# Altium PCB AX7103-2021-0629.PcbDoc (part 4 of 7)
Units mil, origin at the board's own origin, x right, y up, seen from the top; angles counter-clockwise.
Board outline 7406.51 x 4363.82 mil, 6 copper layers (TOP, SGND, IN1, IN2, SGND1, BOTTOM), stack 47.2 mil thick; 347 components, 454 nets, 1784 pads, 724 vias.
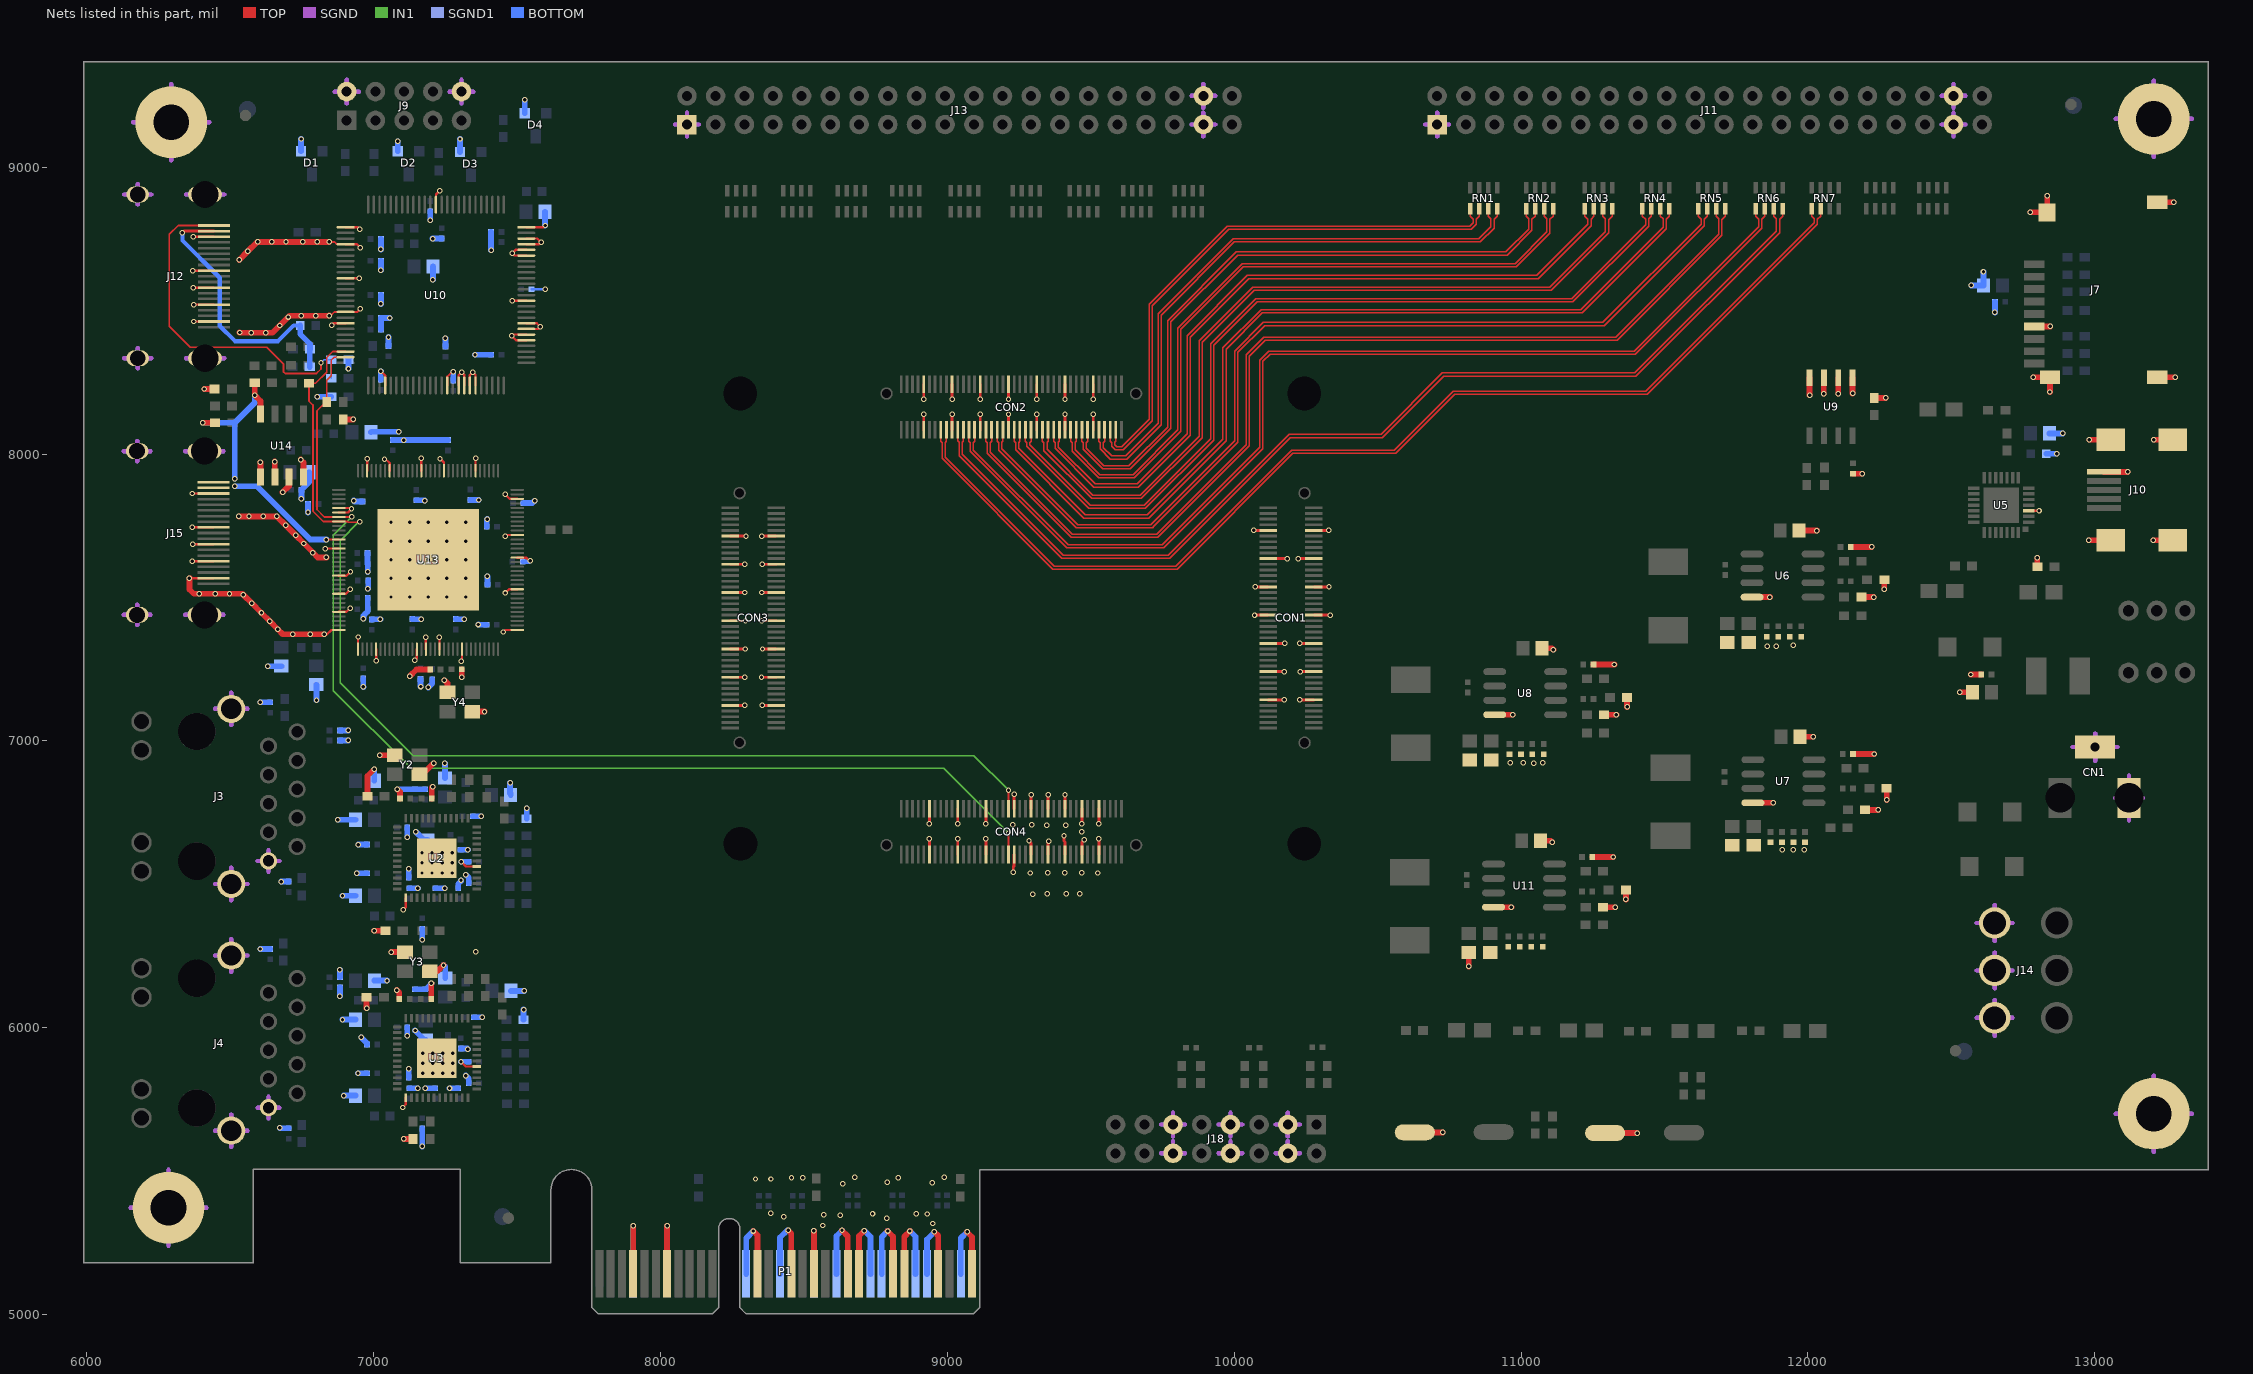
[diagram p8: the nets of this part, all layers, seen from the top]

## Via types
v1: diameter 19, hole 12, TOP to BOTTOM, 688 vias
v2: diameter 16, hole 8, TOP to BOTTOM, 36 vias

## Nets (pads, with @x,y where several pads share a name; then routed paths per layer and width w, separated by ;. In a path a pad name is that pad's centre, name@x,y a point inside that pad or via, vN(x,y) a via of type N, cw(c..) or ccw(c..) an arc to the next point about the centre after c; other vN are vias at no path point) (continued)
GND: C61.2 C62.2 C63.2 C64.2 C65.2 C66.2 C67.2 C68.2 C69.2 C70.2 C71.1 C72.2 C73.2 C74.2 C75.2 C76.2 C77.2 C78.2 C79.2 C80.2 C129.2 C130.2 C133.2 C134.2 C136.2 C137.2 C138.2 C139.2 C140.2 C141.2 C142.2 C143.2 C146.2 C147.2 C148.2 C149.2 C150.2 C151.2 C152.2 C153.2 C157.2 C158.2 C159.2 C160.2 C161.2 C162.2 C163.2 C164.2 C165.2 C166.2 C167.2 C168.2 C169.2 C170.2 C171.2 C172.2 C173.2 C174.2 C175.2 C176.2 C177.2 C178.2 C179.2 C180.2 C181.2 C182.2 C183.2 C184.2 C185.2 C186.2 C187.2 C188.2 C189.2 C190.2 C191.2 C192.2 C193.2 C194.2 C195.2 C196.2 C197.2 C198.2 C199.2 C200.2 C201.2 C202.2 C203.2 C204.2 C205.2 C206.2 C207.2 C208.2 C209.2 C210.2 C211.2 C213.2 C214.2 C215.2 C216.2 C217.2 C218.2 C219.2 C220.2 C223.2 C224.2 C225.2 C226.2 C227.2 C228.2 C229.2 C231.2 C233.2 C234.2 C235.2 C236.2 C237.2 C238.2 C239.2 C240.2 C242.2 C244.2 C245.2 C246.2 C247.2 C248.2 C249.2 C250.2 C251.2 C252.2 C253.2 C259.2 C260.2 C261.2 C262.2 C263.2 C264.2 C265.2 C266.2 C267.2 CN1.1 CN1.2 CON1.9 CON1.10 CON1.19 CON1.20 CON1.29 CON1.30 CON1.39 CON1.40 CON1.49 CON1.50 CON1.59 CON1.60 CON1.69 CON1.70 CON2.9 CON2.10 CON2.19 CON2.20 CON2.29 CON2.30 CON2.39 CON2.40 CON2.49 CON2.50 CON2.59 CON2.60 CON2.69 CON2.70 CON3.9 CON3.10 CON3.19 CON3.20 CON3.29 CON3.30 CON3.39 CON3.40 CON3.49 CON3.50 CON3.59 CON3.60 CON3.69 CON3.70 CON4.9 CON4.10 CON4.15 CON4.16 CON4.21 CON4.22 CON4.27 CON4.28 CON4.33 CON4.34 CON4.39 CON4.40 CON4.49 CON4.50 CON4.59 CON4.60 CON4.69 CON4.70 D1.1 D2.1 D3.1 D4.1 J3.15 J3.16 J3.P10 J4.15 J4.16 J4.P10 J7.6 J7.10 J7.11 J7.12 J7.13 J9.2 J9.10 J10.5 J10.6 J10.7 J10.8 J10.9 J11.1 J11.37 J11.38 J12.2 J12.5 J12.8 J12.11 J12.17 J12.20 J12.21 J12.22 J12.23 J13.1 J13.37 J13.38 J14.4 J14.5 J14.6 J15.2 J15.5 J15.8 J15.11 J15.17 J15.20 J15.21 J15.22 J15.23 J18.3 J18.4 J18.7 J18.8 J18.11 J18.12 KEY1.2 KEY2.2 P1.A4 P1.A12 P1.A15 P1.A18 P1.A20 P1.A23 P1.A24 P1.A27 P1.A28 P1.A31 P1.B4 P1.B7 P1.B13 P1.B16 P1.B18 P1.B21 P1.B22 P1.B25 P1.B26 P1.B29 P1.B32 R51.2 R55.2 R57.2 R59.2 R70.1 R78.1 R79.1 R83.1 R92.1 R93.1 R136.1 R140.2 R141.2 R144.2 R145.2 R147.1 R156.2 R161.2 R162.2 R165.2 S1.1 S2.1 S3.1 S4.1 U2.13 U2.29 U2.49 U3.13 U3.29 U3.49 U5.3 U6.4 U7.4 U8.4 U9.1 U9.2 U9.3 U9.4 U10.13 U10.26 U10.29 U10.35 U10.41 U10.43 U10.54 U10.65 U10.67 U10.68 U10.69 U10.70 U10.80 U10.81 U10.82 U10.83 U10.87 U10.95 U10.96 U10.97 U10.98 U10.100 U11.4 U13.6 U13.13 U13.18 U13.25 U13.30 U13.37 U13.38 U13.46 U13.52 U13.56 U13.60 U13.64 U13.65 U13.69 U13.78 U13.80 U13.83 U13.88 U13.97 U13.106 U13.113 U13.118 U13.126 U13.129 U14.1 U14.2 U14.3 U14.4 Y2.2 Y2.4 Y3.2 Y3.4 Y4.2 Y4.4 | length 35626
  TOP w6: v1(6845.04,8739.62) 6864.04,8739.62 6872.04,8731.62 U10.29@6902.84,8731.62 ; v1(6846.04,8482.85) 6851.04,8482.85 6863.59,8495.4 U10.41@6902.84,8495.4
  TOP w8: v1@6361.04,7567.49 J15.2@6442.26,7567.49 ; v1(6367.85,7862.77) J15.17@6442.26,7862.77 ; v1(6367.97,7626.55) J15.5@6442.26,7626.55 ; v1(6368.24,7744.66) J15.11@6442.26,7744.66 ; v1(6369.42,7685.6) J15.8@6442.26,7685.6 ; v1(6370.3,8639.4) J12.11@6444.23,8639.4 ; v1(6372.18,8580.34) J12.8@6444.23,8580.34 ; v1(6372.35,8757.51) J12.17@6444.23,8757.51 ; v1(6373.97,8521.29) J12.5@6444.23,8521.29 ; v1(6374.03,8462.23) J12.2@6444.23,8462.23 ; v1(6828.04,7371.85) 6829.04,7370.85 6837.04,7370.85 6853.42,7387.23 U13.64@6879.36,7387.23 ; v1(6832.04,7670.69) U13.46@6879.36,7670.69 ; v1(6855.04,8449.85) 6861.22,8456.03 U10.43@6902.84,8456.03 ; U13.60@6879.36,7450.22 6905.56,7450.22 6918.3,7462.96 v1(6918.8,7462.96) ; U13.56@6879.36,7513.21 6904.26,7513.21 6913.98,7522.93 6913.98,7524.64 v1(6918.8,7529.46) ; U13.52@6879.36,7576.2 6906.04,7576.2 v1(6919.8,7589.96) ; U13.38@6879.36,7796.67 6911.01,7796.67 v1(6923.3,7808.96) 6919.84,7812.42 U13.37@6879.36,7812.42 ; U10.41@6902.84,8495.4 6943.24,8495.4 v1(6954.3,8506.46) ; U10.35@6902.84,8613.51 v1(6950.85,8613.51) ; U10.29@6902.84,8731.62 6942.14,8731.62 6953.8,8719.96 v1(6954.3,8719.96) ; U10.26@6902.84,8790.68 6945.08,8790.68 v1(6952.3,8783.46) ; U13.65@6946.29,7320.3 v1(6946.29,7362.45) ; U13.30@6977.78,7942.34 v1(6977.78,7983.98) ; v1(7009.28,7279.44) U13.69@7009.28,7320.3 ; v1(7026.04,8288.85) 7040.64,8274.25 U10.54@7040.64,8239.5 ; v1(7038.3,7982.46) 7042.8,7982.46 7056.52,7968.74 U13.25@7056.52,7942.34 ; v1(7101.54,5722.35) 7112.7,5733.51 U3.13@7112.7,5755.97 ; v1(7104.04,6411.85) 7112.7,6420.51 U2.13@7112.7,6452.97 ; v1(7143.8,7281.46) 7151.01,7288.67 U13.78@7151.01,7320.3 ; U13.18@7166.76,7942.34 v1(7166.76,7985.42) ; U13.80@7182.51,7320.3 v1(7182.51,7361.17) ; U10.13@7217.8,8869.42 7217.8,8904.96 v1(7231.3,8918.46) ; U13.83@7229.75,7320.3 v1(7229.75,7361.41) ; v1(7231.8,7984.46) 7245.5,7970.76 U13.13@7245.5,7942.34 ; U10.65@7257.17,8239.5 7257.17,8269.83 7274.3,8286.96 v1(7277.8,8286.96) ; U10.67@7296.54,8239.5 7296.54,8274.7 v1(7307.3,8285.46) 7316.23,8276.53 U10.68@7316.23,8239.5 ; v1(7305.04,5881.85) 7321.59,5865.3 U3.29@7359.83,5865.3 ; v1(7305.63,7278.63) 7305.63,7283.29 7308.49,7286.15 U13.88@7308.49,7320.3 ; v1(7306.04,6578.85) 7322.59,6562.3 U2.29@7359.83,6562.3 ; U10.69@7335.91,8239.5 7335.91,8275.57 v1(7346.3,8285.96) 7355.6,8276.66 U10.70@7355.6,8239.5 ; U13.6@7355.73,7942.34 v1(7355.73,7984.89) ; v1(7452.62,7379.92) 7459.93,7387.23 U13.97@7501.4,7387.23 ; v1(7459.3,7515.96) 7472.3,7528.96 U13.106@7501.4,7528.96 ; v1(7459.3,7859.46) 7474.84,7843.92 U13.126@7501.4,7843.92 ; v1(7459.8,7713.96) 7463.77,7717.93 U13.118@7501.4,7717.93 ; v1(7482.99,8534.77) U10.87@7532.76,8534.77 ; U13.113@7501.4,7639.19 7531.57,7639.19 7542.8,7627.96 v1(7546.3,7627.96) ; U10.80@7532.76,8396.98 7496.78,8396.98 v1(7481.3,8412.46) 7485.5,8416.66 U10.81@7532.76,8416.66 ; U10.82@7532.76,8436.35 7574.19,8436.35 v1(7581.3,8443.46) 7568.73,8456.03 U10.83@7532.76,8456.03 ; U10.95@7532.76,8692.25 7490.51,8692.25 v1(7483.3,8699.46) 7483.3,8700.46 7494.78,8711.94 U10.96@7532.76,8711.94 ; U10.97@7532.76,8731.62 7576.96,8731.62 7583.3,8737.96 v1(7584.3,8737.96) 7570.95,8751.31 U10.98@7532.76,8751.31 ; U10.100@7532.76,8790.68 7591.87,8790.68 v1(7598.04,8796.85)
  TOP w10: CON3.10@8243.68,7123.87 v1(8294.02,7123.87) ; CON3.20@8243.68,7222.3 v1(8294.49,7222.3) ; CON3.30@8243.68,7320.72 v1(8296.17,7320.72) ; CON3.40@8243.68,7419.15 v1(8296.74,7419.15) ; CON3.50@8243.68,7517.57 v1(8294.32,7517.57) ; CON3.60@8243.68,7616 v1(8293.89,7616) ; CON3.70@8243.68,7714.42 v1(8298.47,7714.42) ; v1(8352.49,7222.3) CON3.19@8403.12,7222.3 ; v1(8353.47,7714.42) CON3.69@8403.12,7714.42 ; v1(8353.74,7419.15) CON3.39@8403.12,7419.15 ; v1(8353.76,7517.57) CON3.49@8403.12,7517.57 ; v1(8354.89,7616) CON3.59@8403.12,7616 ; v1(8355.06,7123.87) CON3.9@8403.12,7123.87 ; v1(8356.04,7320.72) CON3.29@8403.12,7320.72 ; CON2.9@8918.28,8084.27 v1(8918.28,8138.61) ; v1(8918.28,8191.09) CON2.10@8918.28,8243.71 ; CON4.70@8937.98,6604.33 v1(8937.98,6658.67) ; v1(8937.98,6711.15) CON4.69@8937.98,6763.77 ; CON2.19@9016.71,8084.27 v1(9016.71,8138.61) ; v1(9016.71,8191.09) CON2.20@9016.71,8243.71 ; CON4.60@9036.4,6604.33 v1(9036.4,6658.67) ; v1(9036.4,6711.15) CON4.59@9036.4,6763.77 ; CON2.29@9115.13,8084.27 v1(9115.13,8138.61) ; v1(9115.13,8191.09) CON2.30@9115.13,8243.71 ; CON4.50@9134.83,6604.33 v1(9134.83,6658.67) ; v1(9134.83,6711.15) CON4.49@9134.83,6763.77 ; CON2.39@9213.56,8084.27 v1(9213.56,8138.61) ; v1(9213.56,8191.09) CON2.40@9213.56,8243.71 ; v1(9230.04,6541.85) 9230.04,6561.85 9233.25,6565.06 CON4.40@9233.25,6604.33 ; CON4.39@9233.25,6763.77 v1(9233.25,6813.85) ; v1(9285.04,6651.85) 9292.31,6644.58 CON4.34@9292.31,6604.33 ; CON4.33@9292.31,6763.77 v1(9292.31,6812.85) ; CON2.49@9311.98,8084.27 v1(9311.98,8138.61) ; v1(9311.98,8191.09) CON2.50@9311.98,8243.71 ; CON4.28@9351.36,6604.33 9351.36,6646.17 9354.04,6648.85 v1(9354.04,6650.85) ; CON4.27@9351.36,6763.77 v1(9351.36,6811.85) ; v1(9407.04,6669.85) 9407.04,6650.85 9410.42,6647.47 CON4.22@9410.42,6604.33 ; CON4.21@9410.42,6763.77 v1(9410.42,6812.85) ; CON2.59@9410.41,8084.27 v1(9410.41,8138.61) ; v1(9410.41,8191.09) CON2.60@9410.41,8243.71 ; CON4.16@9469.47,6604.33 9469.47,6648.28 v1(9477.04,6655.85) ; v1(9469.47,6711.15) CON4.15@9469.47,6763.77 ; CON2.69@9508.83,8084.27 v1(9508.83,8138.61) ; v1(9508.83,8191.09) CON2.70@9508.83,8243.71 ; CON4.10@9528.53,6604.33 v1(9528.53,6658.67) ; v1(9528.53,6711.15) CON4.9@9528.53,6763.77 ; v1(10069.04,7734.07) CON1.9@10118.59,7734.07 ; v1(10071.1,7438.79) CON1.39@10118.59,7438.79 ; v1(10073.41,7537.22) CON1.29@10118.59,7537.22 ; CON1.69@10118.59,7143.52 v1(10174.71,7143.52) ; CON1.59@10118.59,7241.94 v1(10175.13,7241.94) ; CON1.49@10118.59,7340.37 v1(10176.52,7340.37) ; CON1.19@10118.59,7635.64 v1(10185.25,7635.64) ; v1(10223.83,7635.64) CON1.20@10278.03,7635.64 ; v1(10228.04,7340.37) CON1.50@10278.03,7340.37 ; v1(10229.37,7143.52) CON1.70@10278.03,7143.52 ; v1(10230.95,7241.94) CON1.60@10278.03,7241.94 ; CON1.40@10278.03,7438.79 v1(10335.04,7438.79) ; CON1.30@10278.03,7537.22 v1(10330.67,7537.22) ; CON1.10@10278.03,7734.07 v1(10329.82,7734.07) ; U5.3@12769.92,7802.49 v1(12805.68,7802.49)
  TOP w20: v1(6358.04,7567.49) 6361.04,7567.49 6359.04,7565.49 6359.04,7527.85 6374.04,7512.85 v1(6393.04,7512.85) v1(6448.04,7512.85) v1(6498.04,7512.85) 6543.04,7512.85 v1(6546.03,7509.86) v1(6576.03,7479.86) v1(6609.53,7446.36) v1(6638.03,7417.86) v1(6667.03,7388.86) 6684.04,7371.85 v1(6718.04,7371.85) v1(6780.04,7371.85) v1(6828.04,7371.85) ; v1(6409.9,8226.99) R147.1@6446.04,8226.99 ; v1(6531.04,7782.85) v1(6566.04,7782.85) v1(6616.04,7782.85) v1(6663.04,7782.85) v1(6694.03,7751.86) v1(6729.03,7716.86) v1(6757.53,7688.36) v1(6789.03,7656.86) 6806.04,7639.85 v1(6836.04,7639.85) ; v1(6532.04,8676.85) v1(6562.04,8706.85) 6594.81,8739.62 v1(6596.04,8739.62) v1(6645.04,8739.62) v1(6695.04,8739.62) v1(6753.04,8739.62) v1(6804.04,8739.62) v1(6845.04,8739.62) ; v1(6533.04,8423.85) 6534.04,8422.85 v1(6574.04,8422.85) v1(6625.04,8422.85) 6648.04,8422.85 v1(6673.53,8448.34) v1(6703.03,8477.84) 6707.04,8481.85 v1(6748.04,8481.85) v1(6799.04,8481.85) 6844.04,8481.85 6845.04,8482.85 v1(6846.04,8482.85) ; U14.1@6606.04,7919.85 v1(6606.04,7971.85) ; U14.2@6656.04,7919.85 v1(6656.04,7973.85) ; v1(6683.04,7866.85) 6706.04,7889.85 U14.3@6706.04,7919.85 ; v1(6746.04,7980.85) 6756.04,7970.85 U14.4@6756.04,7919.85 ; R57.2@6894.18,8120.85 v1(6929.04,8120.85) ; v1(6976.04,6068.85) R83.1@6976.04,6106.99 ; R70.1@6979.04,6806.99 6979.04,6877.85 v1(7003.04,6901.85) ; v1(7002.18,6338.99) R79.1@7042.04,6338.99 ; v1(7022.58,6950.31) Y2.4@7073.73,6950.31 ; v1(7062.04,6264.31) Y3.4@7109.73,6264.31 ; v1(7081.04,6131.85) 7090.04,6122.85 C220.2@7090.04,6100.85 ; v1(7083.04,6831.85) 7092.04,6822.85 C187.2@7092.04,6799.85 ; v1(7105.04,5612.85) R93.1@7137.9,5612.85 ; v1(7126.3,7225.96) 7149.69,7249.35 C181.2@7197.54,7249.35 ; Y2.2@7160.35,6883.39 7170.58,6883.39 v1(7210.04,6922.85) ; Y3.2@7196.35,6197.39 7222.58,6197.39 v1(7244.04,6218.85) ; C219.2@7201.04,6100.85 7201.04,6154.85 v1(7202.04,6155.85) ; C186.2@7203.04,6799.85 7203.04,6836.85 v1(7206.04,6839.85) ; v1(7247.04,7211.85) 7257.73,7201.16 Y4.4@7257.73,7169.31 ; v1(7307.8,7221.96) 7307.8,7249.61 C180.2@7308.04,7249.85 ; Y4.2@7344.35,7102.39 v1(7387.04,7102.39) ; P1.B4@7905.39,5142.35 v1(7905.39,5309.85) ; P1.B7@8023.5,5142.35 v1(8023.5,5310.39) ; v1(8324.04,5291.85) 8338.46,5277.43 P1.B13@8338.46,5142.35 ; v1(8446.04,5293.85) 8456.57,5283.32 P1.B16@8456.57,5142.35 ; P1.B18@8535.31,5142.35 v1(8535.31,5292.85) ; v1(8633.04,5293.85) 8653.42,5273.47 P1.B21@8653.42,5142.35 ; P1.B22@8692.79,5142.35 8692.79,5274.6 v1(8711.04,5292.85) ; v1(8792.04,5291.85) 8810.9,5272.99 P1.B25@8810.9,5142.35 ; P1.B26@8850.27,5142.35 8850.27,5272.08 v1(8870.04,5291.85) ; v1(8955.04,5288.85) 8968.38,5275.51 P1.B29@8968.38,5142.35 ; v1(9069.04,5288.85) 9086.49,5271.4 P1.B32@9086.49,5142.35 ; KEY1.2@10629.79,5635.67 v1(10726.86,5635.67) ; v1(10817.6,6214.29) C233.2@10817.6,6262.62 ; U11.4@10904.3,6420.62 v1(10966.6,6420.62) ; U8.4@10908.3,7091.62 v1(10970.6,7091.62) ; C235.2@11068.6,6652.62 11103.27,6652.62 v1(11109.04,6646.85) ; C225.2@11072.6,7323.62 11107.27,7323.62 v1(11113.04,7317.85) ; C240.2@11248.6,6595.62 v1(11321.6,6595.62) ; C231.2@11252.6,7266.62 v1(11325.6,7266.62) ; R165.2@11285.6,6420.76 v1(11328.46,6420.76) ; R161.2@11289.6,7091.76 v1(11332.46,7091.76) ; KEY2.2@11293.27,5633.35 v1(11404.54,5633.35) ; v1(11365.6,6447.62) R162.2@11365.6,6480.76 ; v1(11369.6,7118.62) R156.2@11369.6,7151.76 ; U6.4@11805.3,7501.62 v1(11867.6,7501.62) ; U7.4@11808.3,6784.62 v1(11878.6,6784.62) ; C136.2@11969.6,7733.62 v1(12031.6,7733.62) ; C146.2@11972.6,7014.62 v1(12019.04,7014.62) ; v1(12005.71,8205.18) U9.4@12005.71,8266.63 ; v1(12055.71,8210.52) U9.3@12055.71,8266.63 ; v1(12105.71,8210.18) U9.2@12105.71,8266.63 ; C137.2@12149.6,7676.62 v1(12222.6,7676.62) ; v1(12155.71,8211.52) U9.1@12155.71,8266.63 ; C78.2@12157.04,7931.85 v1(12189.04,7931.85) ; C153.2@12157.6,6954.62 v1(12231.6,6954.62) ; R140.2@12186.6,7501.76 v1(12229.46,7501.76) ; R144.2@12199.6,6759.76 v1(12245.46,6759.76) ; R51.2@12230.9,8195.85 v1(12271.04,8195.85) ; v1(12266.6,7528.62) R141.2@12266.6,7561.76 ; v1(12274.6,6794.62) R145.2@12274.6,6834.76 ; v1(12530.04,7169.85) C133.2@12574.04,7169.85 ; v1(12568.04,7231.85) C134.2@12604.04,7231.85 ; v1(12775.14,8842.75) J7.10@12833.93,8842.75 v1(12833.93,8900.74) ; v1(12785.14,8267.95) J7.11@12843.77,8267.95 v1(12843.77,8216.58) ; J7.6@12788.65,8445.11 v1(12844.78,8445.11) ; R136.1@12799.88,7607 v1(12799.88,7639.01) ; v1(12979.11,7699.78) J10.8@13055.52,7699.78 ; v1(12980.37,8050.18) J10.6@13055.52,8050.18 ; J10.5@13031.9,7937.97 v1(13114.92,7937.97) ; v1(13203.97,7699.78) J10.9@13272.06,7699.78 ; v1(13205.37,8050.18) J10.7@13272.06,8050.18 ; J7.12@13217.78,8267.95 v1(13279.94,8267.95) ; J7.13@13217.78,8878.19 v1(13275.7,8878.19)
  SGND w15: 6129.22,7439.54 J15.22@6176.11,7439.54 ; 6129.22,8010.41 J15.23@6176.11,8010.41 ; 6131.19,8334.28 J12.22@6178.08,8334.28 ; 6131.19,8905.15 J12.23@6178.08,8905.15 ; 6152.8,5372.79 S4.1@6285.32,5372.79 ; 6162.52,9156.85 S3.1@6295.04,9156.85 ; 6176.11,7404.46 J15.22@6176.11,7439.54 ; 6176.11,7474.62 J15.22@6176.11,7439.54 ; 6176.11,7975.33 J15.23@6176.11,8010.41 ; 6176.11,8045.49 J15.23@6176.11,8010.41 ; 6178.08,8299.2 J12.22@6178.08,8334.28 ; 6178.08,8369.36 J12.22@6178.08,8334.28 ; 6178.08,8870.07 J12.23@6178.08,8905.15 ; 6178.08,8940.23 J12.23@6178.08,8905.15 ; 6223,7439.54 J15.22@6176.11,7439.54 ; 6223,8010.41 J15.23@6176.11,8010.41 ; 6224.97,8334.28 J12.22@6178.08,8334.28 ; 6224.97,8905.15 J12.23@6178.08,8905.15 ; 6285.32,5240.27 S4.1@6285.32,5372.79 ; 6285.32,5505.31 S4.1@6285.32,5372.79 ; 6295.04,9024.33 S3.1@6295.04,9156.85 ; 6295.04,9289.37 S3.1@6295.04,9156.85 ; 6344.18,7439.54 J15.20@6410.76,7439.54 ; 6344.18,8010.41 J15.21@6410.76,8010.41 ; 6346.15,8334.28 J12.20@6412.73,8334.28 ; 6346.15,8905.15 J12.21@6412.73,8905.15 ; 6410.76,7404.46 J15.20@6410.76,7439.54 ; 6410.76,7474.62 J15.20@6410.76,7439.54 ; 6410.76,7975.33 J15.21@6410.76,8010.41 ; 6410.76,8045.49 J15.21@6410.76,8010.41 ; 6412.73,8299.2 J12.20@6412.73,8334.28 ; 6412.73,8369.36 J12.20@6412.73,8334.28 ; 6412.73,8870.07 J12.21@6412.73,8905.15 ; 6412.73,8940.23 J12.21@6412.73,8905.15 ; 6417.84,5372.79 S4.1@6285.32,5372.79 ; 6427.56,9156.85 S3.1@6295.04,9156.85 ; 6447.59,5641.78 J4.16@6504.11,5641.78 ; 6447.59,6252.01 J4.15@6504.11,6252.01 ; 6447.59,6501.78 J3.16@6504.11,6501.78 ; 6447.59,7112.01 J3.15@6504.11,7112.01 ; 6477.34,7439.54 J15.20@6410.76,7439.54 ; 6477.34,8010.41 J15.21@6410.76,8010.41 ; 6479.31,8334.28 J12.20@6412.73,8334.28 ; 6479.31,8905.15 J12.21@6412.73,8905.15 ; 6504.11,5585.26 J4.16@6504.11,5641.78 ; 6504.11,5698.3 J4.16@6504.11,5641.78 ; 6504.11,6195.49 J4.15@6504.11,6252.01 ; 6504.11,6308.53 J4.15@6504.11,6252.01 ; 6504.11,6445.26 J3.16@6504.11,6501.78 ; 6504.11,6558.3 J3.16@6504.11,6501.78 ; 6504.11,7055.49 J3.15@6504.11,7112.01 ; 6504.11,7168.53 J3.15@6504.11,7112.01 ; 6560.63,5641.78 J4.16@6504.11,5641.78 ; 6560.63,6252.01 J4.15@6504.11,6252.01 ; 6560.63,6501.78 J3.16@6504.11,6501.78 ; 6560.63,7112.01 J3.15@6504.11,7112.01 ; 6596.51,5721.9 J4.P10@6634.03,5721.9 ; 6596.51,6581.9 J3.P10@6634.03,6581.9 ; 6634.03,5684.38 J4.P10@6634.03,5721.9 ; 6634.03,5759.42 J4.P10@6634.03,5721.9 ; 6634.03,6544.38 J3.P10@6634.03,6581.9 ; 6634.03,6619.42 J3.P10@6634.03,6581.9 ; 6671.55,5721.9 J4.P10@6634.03,5721.9 ; 6671.55,6581.9 J3.P10@6634.03,6581.9 ; 6865.1,9263.48 J9.2@6906.68,9263.48 ; 6906.68,9221.9 J9.2@6906.68,9263.48 ; 6906.68,9305.06 J9.2@6906.68,9263.48 ; 6948.26,9263.48 J9.2@6906.68,9263.48 ; 7265.1,9263.48 J9.10@7306.68,9263.48 ; 7306.68,9221.9 J9.10@7306.68,9263.48 ; 7306.68,9305.06 J9.10@7306.68,9263.48 ; 7348.26,9263.48 J9.10@7306.68,9263.48 ; 8051.18,9148.82 J13.1@8092.7,9148.82 ; 8092.7,9107.3 J13.1@8092.7,9148.82 ; 8092.7,9190.34 J13.1@8092.7,9148.82 ; 8134.22,9148.82 J13.1@8092.7,9148.82 ; 9745.52,5562.85 J18.12@9787.04,5562.85 ; 9745.52,5662.85 J18.11@9787.04,5662.85 ; 9787.04,5604.37 J18.12@9787.04,5562.85 ; 9787.04,5621.33 J18.11@9787.04,5662.85 ; 9787.04,5704.37 J18.11@9787.04,5662.85 ; 9828.56,5562.85 J18.12@9787.04,5562.85 ; 9828.56,5662.85 J18.11@9787.04,5662.85 ; 9851.18,9148.82 J13.37@9892.7,9148.82 ; 9851.18,9248.82 J13.38@9892.7,9248.82 ; 9892.7,9107.3 J13.37@9892.7,9148.82 ; 9892.7,9190.34 J13.37@9892.7,9148.82 ; 9892.7,9207.3 J13.38@9892.7,9248.82 ; 9892.7,9290.34 J13.38@9892.7,9248.82 ; 9934.22,9148.82 J13.37@9892.7,9148.82 ; 9934.22,9248.82 J13.38@9892.7,9248.82 ; 9945.52,5562.85 J18.8@9987.04,5562.85 ; 9945.52,5662.85 J18.7@9987.04,5662.85 ; 9987.04,5604.37 J18.8@9987.04,5562.85 ; 9987.04,5621.33 J18.7@9987.04,5662.85 ; 9987.04,5704.37 J18.7@9987.04,5662.85 ; 10028.56,5562.85 J18.8@9987.04,5562.85 ; 10028.56,5662.85 J18.7@9987.04,5662.85 ; 10145.52,5562.85 J18.4@10187.04,5562.85 ; 10145.52,5662.85 J18.3@10187.04,5662.85 ; 10187.04,5604.37 J18.4@10187.04,5562.85 ; 10187.04,5621.33 J18.3@10187.04,5662.85 ; 10187.04,5704.37 J18.3@10187.04,5662.85 ; 10228.56,5562.85 J18.4@10187.04,5562.85 ; 10228.56,5662.85 J18.3@10187.04,5662.85 ; 10666.18,9148.82 J11.1@10707.7,9148.82 ; 10707.7,9107.3 J11.1@10707.7,9148.82 ; 10707.7,9190.34 J11.1@10707.7,9148.82 ; 10749.22,9148.82 J11.1@10707.7,9148.82 ; 12466.18,9148.82 J11.37@12507.7,9148.82 ; 12466.18,9248.82 J11.38@12507.7,9248.82 ; 12507.7,9107.3 J11.37@12507.7,9148.82 ; 12507.7,9190.34 J11.37@12507.7,9148.82 ; 12507.7,9207.3 J11.38@12507.7,9248.82 ; 12507.7,9290.34 J11.38@12507.7,9248.82 ; 12549.22,9148.82 J11.37@12507.7,9148.82 ; 12549.22,9248.82 J11.38@12507.7,9248.82 ; 12588.51,6034.97 J14.6@12651.03,6034.97 ; 12588.51,6200.32 J14.5@12651.03,6200.32 ; 12588.51,6365.67 J14.4@12651.03,6365.67 ; 12651.03,5972.45 J14.6@12651.03,6034.97 ; 12651.03,6097.49 J14.6@12651.03,6034.97 ; 12651.03,6137.8 J14.5@12651.03,6200.32 ; 12651.03,6262.84 J14.5@12651.03,6200.32 ; 12651.03,6303.15 J14.4@12651.03,6365.67 ; 12651.03,6428.19 J14.4@12651.03,6365.67 ; 12713.55,6034.97 J14.6@12651.03,6034.97 ; 12713.55,6200.32 J14.5@12651.03,6200.32 ; 12713.55,6365.67 J14.4@12651.03,6365.67 ; 12923.73,6978.76 CN1.2@13001.25,6978.76 ; 13001.25,6931.24 CN1.2@13001.25,6978.76 ; 13001.25,7026.28 CN1.2@13001.25,6978.76 ; 13071.73,6801.59 CN1.1@13119.25,6801.59 ; 13073.03,5700.85 S1.1@13205.55,5700.85 ; 13073.03,9168.7 S2.1@13205.55,9168.7 ; 13078.77,6978.76 CN1.2@13001.25,6978.76 ; 13119.25,6724.07 CN1.1@13119.25,6801.59 ; 13119.25,6879.11 CN1.1@13119.25,6801.59 ; 13166.77,6801.59 CN1.1@13119.25,6801.59 ; 13205.55,5568.33 S1.1@13205.55,5700.85 ; 13205.55,5833.37 S1.1@13205.55,5700.85 ; 13205.55,9036.18 S2.1@13205.55,9168.7 ; 13205.55,9301.22 S2.1@13205.55,9168.7 ; 13338.07,5700.85 S1.1@13205.55,5700.85 ; 13338.07,9168.7 S2.1@13205.55,9168.7

## Text inside footprints (layer, text, board x,y; h text height)
U5: PIN_NUMBER "29" at 12654.25,7822.18 h25 r180; PIN_NUMBER "30" at 12738.25,7738.18 h25 r180; PIN_NUMBER "6" at 12759.92,7861.55 h25 r180; PIN_NUMBER "5" at 12759.92,7841.87 h25 r180; PIN_NUMBER "4" at 12759.92,7822.18 h25 r180; PIN_NUMBER "9" at 12703.62,7917.85 h25 r180; PIN_NUMBER "25" at 12654.25,7726.51 h25 r180; PIN_NUMBER "26" at 12673.94,7726.51 h25 r180; PIN_NUMBER "3" at 12759.92,7802.49 h25 r180; PIN_NUMBER "11" at 12654.25,7917.85 h25 r180; PIN_NUMBER "12" at 12634.56,7917.85 h25 r180; PIN_NUMBER "24" at 12634.56,7726.51 h25 r180; PIN_NUMBER "2" at 12759.92,7782.81 h25 r180; PIN_NUMBER "20" at 12558.58,7782.81 h25 r180; PIN_NUMBER "19" at 12558.58,7802.49 h25 r180; PIN_NUMBER "18" at 12558.58,7822.18 h25 r180; PIN_NUMBER "17" at 12558.58,7841.87 h25 r180; PIN_NUMBER "16" at 12558.58,7861.55 h25 r180; PIN_NUMBER "15" at 12558.58,7881.24 h25 r180; PIN_NUMBER "14" at 12595.19,7917.85 h25 r180; PIN_NUMBER "13" at 12614.88,7917.85 h25 r180; PIN_NUMBER "22" at 12595.19,7726.51 h25 r180; PIN_NUMBER "21" at 12558.58,7763.12 h25 r180; PIN_NUMBER "10" at 12673.94,7917.85 h25 r180; PIN_NUMBER "28" at 12713.31,7726.51 h25 r180; PIN_NUMBER "27" at 12693.62,7726.51 h25 r180; PIN_NUMBER "1" at 12759.92,7763.12 h25 r180; PIN_NUMBER "23" at 12614.88,7726.51 h25 r180; PIN_NUMBER "8" at 12723.31,7917.85 h25 r180; PIN_NUMBER "7" at 12759.92,7881.24 h25 r180
U6: PIN_NUMBER "2" at 11795.3,7601.62 h25 r270; PIN_NUMBER "5" at 12007.9,7501.62 h25 r270; PIN_NUMBER "6" at 12007.9,7551.62 h25 r270; PIN_NUMBER "8" at 12007.9,7651.62 h25 r270; PIN_NUMBER "3" at 11795.3,7551.62 h25 r270; PIN_NUMBER "7" at 12007.9,7601.62 h25 r270; PIN_NUMBER "1" at 11795.3,7651.62 h25 r270; PIN_NUMBER "4" at 11795.3,7501.62 h25 r270
U7: PIN_NUMBER "2" at 11798.3,6884.62 h25 r270; PIN_NUMBER "8" at 12010.9,6934.62 h25 r270; PIN_NUMBER "3" at 11798.3,6834.62 h25 r270; PIN_NUMBER "1" at 11798.3,6934.62 h25 r270; PIN_NUMBER "5" at 12010.9,6784.62 h25 r270; PIN_NUMBER "6" at 12010.9,6834.62 h25 r270; PIN_NUMBER "7" at 12010.9,6884.62 h25 r270; PIN_NUMBER "4" at 11798.3,6784.62 h25 r270
U8: PIN_NUMBER "2" at 10898.3,7191.62 h25 r270; PIN_NUMBER "4" at 10898.3,7091.62 h25 r270; PIN_NUMBER "8" at 11110.9,7241.62 h25 r270; PIN_NUMBER "3" at 10898.3,7141.62 h25 r270; PIN_NUMBER "6" at 11110.9,7141.62 h25 r270; PIN_NUMBER "1" at 10898.3,7241.62 h25 r270; PIN_NUMBER "5" at 11110.9,7091.62 h25 r270; PIN_NUMBER "7" at 11110.9,7191.62 h25 r270
U9: PIN_NUMBER "8" at 12145.71,8063.49 h25; PIN_NUMBER "4" at 11995.71,8266.63 h25; PIN_NUMBER "1" at 12145.71,8266.63 h25; PIN_NUMBER "3" at 12045.71,8266.63 h25; PIN_NUMBER "2" at 12095.71,8266.63 h25; PIN_NUMBER "6" at 12045.71,8063.49 h25; PIN_NUMBER "7" at 12095.71,8063.49 h25; PIN_NUMBER "5" at 11995.71,8063.49 h25; DIMENSION "5.16" at 11873.95,8155.64 h25; DIMENSION "203.14" at 11697.95,8155.64 h25; DIMENSION "3.81" at 11830.17,7986.34 h25; DIMENSION "150.00" at 11654.17,7986.34 h25; DIMENSION "1.27" at 11835.22,8330.04 h25; DIMENSION "50.00" at 11681.22,8330.04 h25
U10: PIN_NUMBER "45" at 6882.84,8416.66 h25 r270; PIN_NUMBER "100" at 7502.76,8790.68 h25 r270; PIN_NUMBER "13" at 7197.8,8869.42 h25 r270; PIN_NUMBER "26" at 6882.84,8790.68 h25 r270; PIN_NUMBER "96" at 7512.76,8711.94 h25 r270; PIN_NUMBER "95" at 7512.76,8692.25 h25 r270; PIN_NUMBER "98" at 7512.76,8751.31 h25 r270; PIN_NUMBER "97" at 7512.76,8731.62 h25 r270; PIN_NUMBER "29" at 6882.84,8731.62 h25 r270; PIN_NUMBER "35" at 6882.84,8613.51 h25 r270; PIN_NUMBER "87" at 7512.76,8534.77 h25 r270; PIN_NUMBER "81" at 7512.76,8416.66 h25 r270; PIN_NUMBER "80" at 7512.76,8396.98 h25 r270; PIN_NUMBER "83" at 7512.76,8456.03 h25 r270; PIN_NUMBER "82" at 7512.76,8436.35 h25 r270; PIN_NUMBER "41" at 6882.84,8495.4 h25 r270; PIN_NUMBER "43" at 6882.84,8456.03 h25 r270; PIN_NUMBER "65" at 7237.17,8239.5 h25 r270; PIN_NUMBER "68" at 7296.23,8239.5 h25 r270; PIN_NUMBER "67" at 7276.54,8239.5 h25 r270; PIN_NUMBER "70" at 7335.6,8239.5 h25 r270; PIN_NUMBER "69" at 7315.91,8239.5 h25 r270; PIN_NUMBER "54" at 7020.64,8239.5 h25 r270; PIN_NUMBER "10" at 7256.86,8869.42 h25 r270; PIN_NUMBER "4" at 7384.97,8869.42 h25 r270; PIN_NUMBER "6" at 7345.6,8869.42 h25 r270; PIN_NUMBER "7" at 7325.91,8869.42 h25 r270; PIN_NUMBER "8" at 7306.23,8869.42 h25 r270; PIN_NUMBER "9" at 7286.54,8869.42 h25 r270; PIN_NUMBER "11" at 7237.17,8869.42 h25 r270; PIN_NUMBER "5" at 7365.28,8869.42 h25 r270; PIN_NUMBER "24" at 6981.27,8869.42 h25 r270; PIN_NUMBER "22" at 7020.64,8869.42 h25 r270; PIN_NUMBER "20" at 7060.01,8869.42 h25 r270; PIN_NUMBER "18" at 7099.38,8869.42 h25 r270; PIN_NUMBER "16" at 7138.75,8869.42 h25 r270; PIN_NUMBER "23" at 7000.95,8869.42 h25 r270; PIN_NUMBER "21" at 7040.32,8869.42 h25 r270; PIN_NUMBER "19" at 7079.69,8869.42 h25 r270; PIN_NUMBER "17" at 7119.06,8869.42 h25 r270; PIN_NUMBER "15" at 7158.43,8869.42 h25 r270; PIN_NUMBER "48" at 6882.84,8357.61 h25 r270; PIN_NUMBER "49" at 6882.84,8337.92 h25 r270; PIN_NUMBER "30" at 6882.84,8711.94 h25 r270; PIN_NUMBER "60" at 7138.75,8239.5 h25 r270; PIN_NUMBER "91" at 7512.76,8613.51 h25 r270; PIN_NUMBER "3" at 7404.65,8869.42 h25 r270; PIN_NUMBER "88" at 7512.76,8554.46 h25 r270; PIN_NUMBER "62" at 7178.12,8239.5 h25 r270; PIN_NUMBER "1" at 7444.02,8869.42 h25 r270; PIN_NUMBER "12" at 7217.49,8869.42 h25 r270; PIN_NUMBER "76" at 7512.76,8318.24 h25 r270; PIN_NUMBER "64" at 7217.48,8239.5 h25 r270; PIN_NUMBER "55" at 7040.32,8239.5 h25 r270; PIN_NUMBER "99" at 7512.76,8770.99 h25 r270; PIN_NUMBER "93" at 7512.76,8652.88 h25 r270; PIN_NUMBER "85" at 7512.76,8495.4 h25 r270; PIN_NUMBER "39" at 6882.84,8534.78 h25 r270; PIN_NUMBER "14" at 7178.12,8869.42 h25 r270; PIN_NUMBER "53" at 7000.95,8239.5 h25 r270; PIN_NUMBER "89" at 7512.76,8574.14 h25 r270; PIN_NUMBER "66" at 7256.86,8239.5 h25 r270; PIN_NUMBER "33" at 6882.84,8652.88 h25 r270; PIN_NUMBER "47" at 6882.84,8377.29 h25 r270; PIN_NUMBER "37" at 6882.84,8574.14 h25 r270; PIN_NUMBER "52" at 6981.27,8239.5 h25 r270; PIN_NUMBER "79" at 7512.76,8377.29 h25 r270; PIN_NUMBER "46" at 6882.84,8396.98 h25 r270; PIN_NUMBER "75" at 7434.02,8239.5 h25 r270; PIN_NUMBER "50" at 6882.84,8318.24 h25 r270; PIN_NUMBER "36" at 6882.84,8593.83 h25 r270; PIN_NUMBER "44" at 6882.84,8436.35 h25 r270; PIN_NUMBER "61" at 7158.43,8239.5 h25 r270; PIN_NUMBER "40" at 6882.84,8515.09 h25 r270; PIN_NUMBER "57" at 7079.69,8239.5 h25 r270; PIN_NUMBER "92" at 7512.76,8633.2 h25 r270; PIN_NUMBER "25" at 6961.58,8869.42 h25 r270; PIN_NUMBER "38" at 6882.84,8554.46 h25 r270; PIN_NUMBER "32" at 6882.84,8672.57 h25 r270; PIN_NUMBER "28" at 6882.84,8751.31 h25 r270; PIN_NUMBER "42" at 6882.84,8475.72 h25 r270; PIN_NUMBER "73" at 7394.65,8239.5 h25 r270; PIN_NUMBER "72" at 7374.97,8239.5 h25 r270; PIN_NUMBER "34" at 6882.84,8633.2 h25 r270; PIN_NUMBER "94" at 7512.76,8672.57 h25 r270; PIN_NUMBER "63" at 7197.8,8239.5 h25 r270; PIN_NUMBER "58" at 7099.38,8239.5 h25 r270; PIN_NUMBER "2" at 7424.34,8869.42 h25 r270; PIN_NUMBER "56" at 7060.01,8239.5 h25 r270; PIN_NUMBER "27" at 6882.84,8770.99 h25 r270; PIN_NUMBER "59" at 7119.06,8239.5 h25 r270; PIN_NUMBER "31" at 6882.84,8692.25 h25 r270; PIN_NUMBER "86" at 7512.76,8515.09 h25 r270; PIN_NUMBER "90" at 7512.76,8593.83 h25 r270; PIN_NUMBER "74" at 7414.34,8239.5 h25 r270; PIN_NUMBER "84" at 7512.76,8475.72 h25 r270; PIN_NUMBER "51" at 6961.58,8239.5 h25 r270; PIN_NUMBER "77" at 7512.76,8337.92 h25 r270; PIN_NUMBER "71" at 7355.28,8239.5 h25 r270; PIN_NUMBER "78" at 7512.76,8357.61 h25 r270
U11: PIN_NUMBER "2" at 10894.3,6520.62 h25 r270; PIN_NUMBER "4" at 10894.3,6420.62 h25 r270; PIN_NUMBER "5" at 11106.9,6420.62 h25 r270; PIN_NUMBER "7" at 11106.9,6520.62 h25 r270; PIN_NUMBER "1" at 10894.3,6570.62 h25 r270; PIN_NUMBER "3" at 10894.3,6470.62 h25 r270; PIN_NUMBER "6" at 11106.9,6470.62 h25 r270; PIN_NUMBER "8" at 11106.9,6570.62 h25 r270
U13: PIN_NUMBER "64" at 6859.36,7387.23 h25 r270; PIN_NUMBER "129" at 7160.38,7631.32 h25 r270; PIN_NUMBER "126" at 7471.4,7843.92 h25 r270; PIN_NUMBER "13" at 7225.5,7942.34 h25 r270; PIN_NUMBER "6" at 7345.73,7942.34 h25 r270; PIN_NUMBER "18" at 7146.76,7942.34 h25 r270; PIN_NUMBER "25" at 7036.52,7942.34 h25 r270; PIN_NUMBER "30" at 6957.78,7942.34 h25 r270; PIN_NUMBER "37" at 6859.36,7812.42 h25 r270; PIN_NUMBER "38" at 6859.36,7796.67 h25 r270; PIN_NUMBER "113" at 7471.4,7639.19 h25 r270; PIN_NUMBER "118" at 7471.4,7717.93 h25 r270; PIN_NUMBER "46" at 6859.36,7670.69 h25 r270; PIN_NUMBER "106" at 7471.4,7528.96 h25 r270; PIN_NUMBER "60" at 6859.36,7450.22 h25 r270; PIN_NUMBER "52" at 6859.36,7576.2 h25 r270; PIN_NUMBER "56" at 6859.36,7513.21 h25 r270; PIN_NUMBER "97" at 7481.4,7387.23 h25 r270; PIN_NUMBER "83" at 7209.75,7320.3 h25 r270; PIN_NUMBER "88" at 7288.49,7320.3 h25 r270; PIN_NUMBER "80" at 7162.51,7320.3 h25 r270; PIN_NUMBER "78" at 7131.01,7320.3 h25 r270; PIN_NUMBER "65" at 6926.29,7320.3 h25 r270; PIN_NUMBER "69" at 6989.28,7320.3 h25 r270; PIN_NUMBER "75" at 7083.77,7320.3 h25 r270; PIN_NUMBER "70" at 7005.03,7320.3 h25 r270; PIN_NUMBER "71" at 7020.77,7320.3 h25 r270; PIN_NUMBER "72" at 7036.52,7320.3 h25 r270; PIN_NUMBER "73" at 7052.27,7320.3 h25 r270; PIN_NUMBER "74" at 7068.02,7320.3 h25 r270; PIN_NUMBER "76" at 7099.51,7320.3 h25 r270; PIN_NUMBER "90" at 7319.99,7320.3 h25 r270; PIN_NUMBER "48" at 6859.36,7639.19 h25 r270; PIN_NUMBER "22" at 7083.77,7942.34 h25 r270; PIN_NUMBER "23" at 7068.02,7942.34 h25 r270; PIN_NUMBER "26" at 7020.77,7942.34 h25 r270; PIN_NUMBER "27" at 7005.03,7942.34 h25 r270; PIN_NUMBER "28" at 6989.28,7942.34 h25 r270; PIN_NUMBER "29" at 6973.53,7942.34 h25 r270; PIN_NUMBER "32" at 6926.29,7942.34 h25 r270; PIN_NUMBER "2" at 7408.73,7942.34 h25 r270; PIN_NUMBER "3" at 7392.98,7942.34 h25 r270; PIN_NUMBER "4" at 7377.23,7942.34 h25 r270; PIN_NUMBER "5" at 7361.48,7942.34 h25 r270; PIN_NUMBER "33" at 6859.36,7875.41 h25 r270; PIN_NUMBER "8" at 7314.24,7942.34 h25 r270; PIN_NUMBER "9" at 7298.49,7942.34 h25 r270; PIN_NUMBER "10" at 7272.74,7942.34 h25 r270; PIN_NUMBER "11" at 7256.99,7942.34 h25 r270; PIN_NUMBER "14" at 7209.75,7942.34 h25 r270; PIN_NUMBER "15" at 7194,7942.34 h25 r270; PIN_NUMBER "16" at 7178.25,7942.34 h25 r270; PIN_NUMBER "17" at 7162.51,7942.34 h25 r270; PIN_NUMBER "20" at 7115.26,7942.34 h25 r270; PIN_NUMBER "21" at 7099.51,7942.34 h25 r270; PIN_NUMBER "34" at 6859.36,7859.67 h25 r270; PIN_NUMBER "35" at 6859.36,7843.92 h25 r270; PIN_NUMBER "43" at 6859.36,7717.93 h25 r270; PIN_NUMBER "67" at 6957.78,7320.3 h25 r270; PIN_NUMBER "79" at 7146.76,7320.3 h25 r270; PIN_NUMBER "91" at 7335.73,7320.3 h25 r270; PIN_NUMBER "41" at 6859.36,7749.43 h25 r270; PIN_NUMBER "42" at 6859.36,7733.68 h25 r270; PIN_NUMBER "54" at 6859.36,7544.71 h25 r270; PIN_NUMBER "84" at 7225.5,7320.3 h25 r270; PIN_NUMBER "122" at 7471.4,7780.93 h25 r270; PIN_NUMBER "59" at 6859.36,7465.97 h25 r270; PIN_NUMBER "89" at 7304.24,7320.3 h25 r270; PIN_NUMBER "51" at 6859.36,7591.95 h25 r270; PIN_NUMBER "100" at 7471.4,7434.47 h25 r270; PIN_NUMBER "93" at 7367.23,7320.3 h25 r270; PIN_NUMBER "55" at 6859.36,7528.96 h25 r270; PIN_NUMBER "99" at 7481.4,7418.72 h25 r270; PIN_NUMBER "94" at 7382.98,7320.3 h25 r270; PIN_NUMBER "127" at 7471.4,7859.67 h25 r270; PIN_NUMBER "117" at 7471.4,7702.19 h25 r270; PIN_NUMBER "101" at 7471.4,7450.22 h25 r270; PIN_NUMBER "95" at 7398.73,7320.3 h25 r270; PIN_NUMBER "124" at 7471.4,7812.42 h25 r270; PIN_NUMBER "58" at 6859.36,7481.71 h25 r270; PIN_NUMBER "104" at 7471.4,7497.46 h25 r270; PIN_NUMBER "62" at 6859.36,7418.72 h25 r270; PIN_NUMBER "125" at 7471.4,7828.17 h25 r270; PIN_NUMBER "36" at 6859.36,7828.17 h25 r270; PIN_NUMBER "66" at 6942.03,7320.3 h25 r270; PIN_NUMBER "81" at 7178.25,7320.3 h25 r270; PIN_NUMBER "82" at 7194,7320.3 h25 r270; PIN_NUMBER "112" at 7471.4,7623.45 h25 r270; PIN_NUMBER "12" at 7241.25,7942.34 h25 r270; PIN_NUMBER "45" at 6859.36,7686.44 h25 r270; PIN_NUMBER "24" at 7052.27,7942.34 h25 r270; PIN_NUMBER "87" at 7272.74,7320.3 h25 r270; PIN_NUMBER "77" at 7115.26,7320.3 h25 r270; PIN_NUMBER "68" at 6973.53,7320.3 h25 r270; PIN_NUMBER "98" at 7481.4,7402.97 h25 r270; PIN_NUMBER "107" at 7471.4,7544.71 h25 r270; PIN_NUMBER "120" at 7471.4,7749.43 h25 r270; PIN_NUMBER "7" at 7329.99,7942.34 h25 r270; PIN_NUMBER "19" at 7131.01,7942.34 h25 r270; PIN_NUMBER "31" at 6942.03,7942.34 h25 r270; PIN_NUMBER "86" at 7256.99,7320.3 h25 r270; PIN_NUMBER "109" at 7471.4,7576.2 h25 r270; PIN_NUMBER "103" at 7471.4,7481.71 h25 r270; PIN_NUMBER "121" at 7471.4,7765.18 h25 r270; PIN_NUMBER "123" at 7471.4,7796.67 h25 r270; PIN_NUMBER "116" at 7471.4,7686.44 h25 r270; PIN_NUMBER "85" at 7241.25,7320.3 h25 r270; PIN_NUMBER "40" at 6859.36,7765.18 h25 r270; PIN_NUMBER "50" at 6859.36,7607.7 h25 r270; PIN_NUMBER "39" at 6859.36,7780.93 h25 r270; PIN_NUMBER "114" at 7471.4,7654.94 h25 r270; PIN_NUMBER "119" at 7471.4,7733.68 h25 r270; PIN_NUMBER "63" at 6859.36,7402.97 h25 r270; PIN_NUMBER "44" at 6859.36,7702.19 h25 r270; PIN_NUMBER "111" at 7471.4,7607.7 h25 r270; PIN_NUMBER "105" at 7471.4,7513.21 h25 r270; PIN_NUMBER "115" at 7471.4,7670.69 h25 r270; PIN_NUMBER "49" at 6859.36,7623.45 h25 r270; PIN_NUMBER "53" at 6859.36,7560.45 h25 r270; PIN_NUMBER "57" at 6859.36,7497.46 h25 r270; PIN_NUMBER "61" at 6859.36,7434.47 h25 r270; PIN_NUMBER "47" at 6859.36,7654.94 h25 r270; PIN_NUMBER "96" at 7414.47,7320.3 h25 r270; PIN_NUMBER "102" at 7471.4,7465.97 h25 r270; PIN_NUMBER "92" at 7351.48,7320.3 h25 r270; PIN_NUMBER "1" at 7424.47,7942.34 h25 r270; PIN_NUMBER "128" at 7471.4,7875.41 h25 r270; PIN_NUMBER "108" at 7471.4,7560.45 h25 r270; PIN_NUMBER "110" at 7471.4,7591.95 h25 r270
U14: PIN_NUMBER "1" at 6596.04,7919.85 h25 r90; PIN_NUMBER "2" at 6646.04,7919.85 h25 r90; PIN_NUMBER "3" at 6696.04,7919.85 h25 r90; PIN_NUMBER "4" at 6746.04,7919.85 h25 r90; PIN_NUMBER "6" at 6696.04,8139.85 h25 r90; PIN_NUMBER "7" at 6646.04,8139.85 h25 r90; PIN_NUMBER "5" at 6746.04,8139.85 h25 r90; PIN_NUMBER "8" at 6596.04,8139.85 h25 r90
Y2: PIN_NUMBER "4" at 7063.73,6950.31 h25; PIN_NUMBER "2" at 7150.35,6883.39 h25; PIN_NUMBER "1" at 7063.73,6883.39 h25; PIN_NUMBER "3" at 7150.35,6950.31 h25; DIMENSION "86.62" at 7027.04,6804.35 h25; DIMENSION "2.2" at 7183.04,6804.35 h25; DIMENSION "66.92" at 7197.04,6909.35 h25; DIMENSION "1.7" at 7353.04,6909.35 h25
Y3: PIN_NUMBER "2" at 7186.35,6197.39 h25; PIN_NUMBER "4" at 7099.73,6264.31 h25; PIN_NUMBER "1" at 7099.73,6197.39 h25; PIN_NUMBER "3" at 7186.35,6264.31 h25; DIMENSION "86.62" at 7063.04,6118.35 h25; DIMENSION "2.2" at 7219.04,6118.35 h25; DIMENSION "66.92" at 7233.04,6223.35 h25; DIMENSION "1.7" at 7389.04,6223.35 h25
Y4: PIN_NUMBER "4" at 7247.73,7169.31 h25; PIN_NUMBER "2" at 7334.35,7102.39 h25; PIN_NUMBER "1" at 7247.73,7102.39 h25; PIN_NUMBER "3" at 7334.35,7169.31 h25; DIMENSION "86.62" at 7211.04,7023.35 h25; DIMENSION "2.2" at 7367.04,7023.35 h25; DIMENSION "66.92" at 7381.04,7128.35 h25; DIMENSION "1.7" at 7537.04,7128.35 h25